# Altium PCB pcb.PcbDoc (part 1 of 2) (continued)
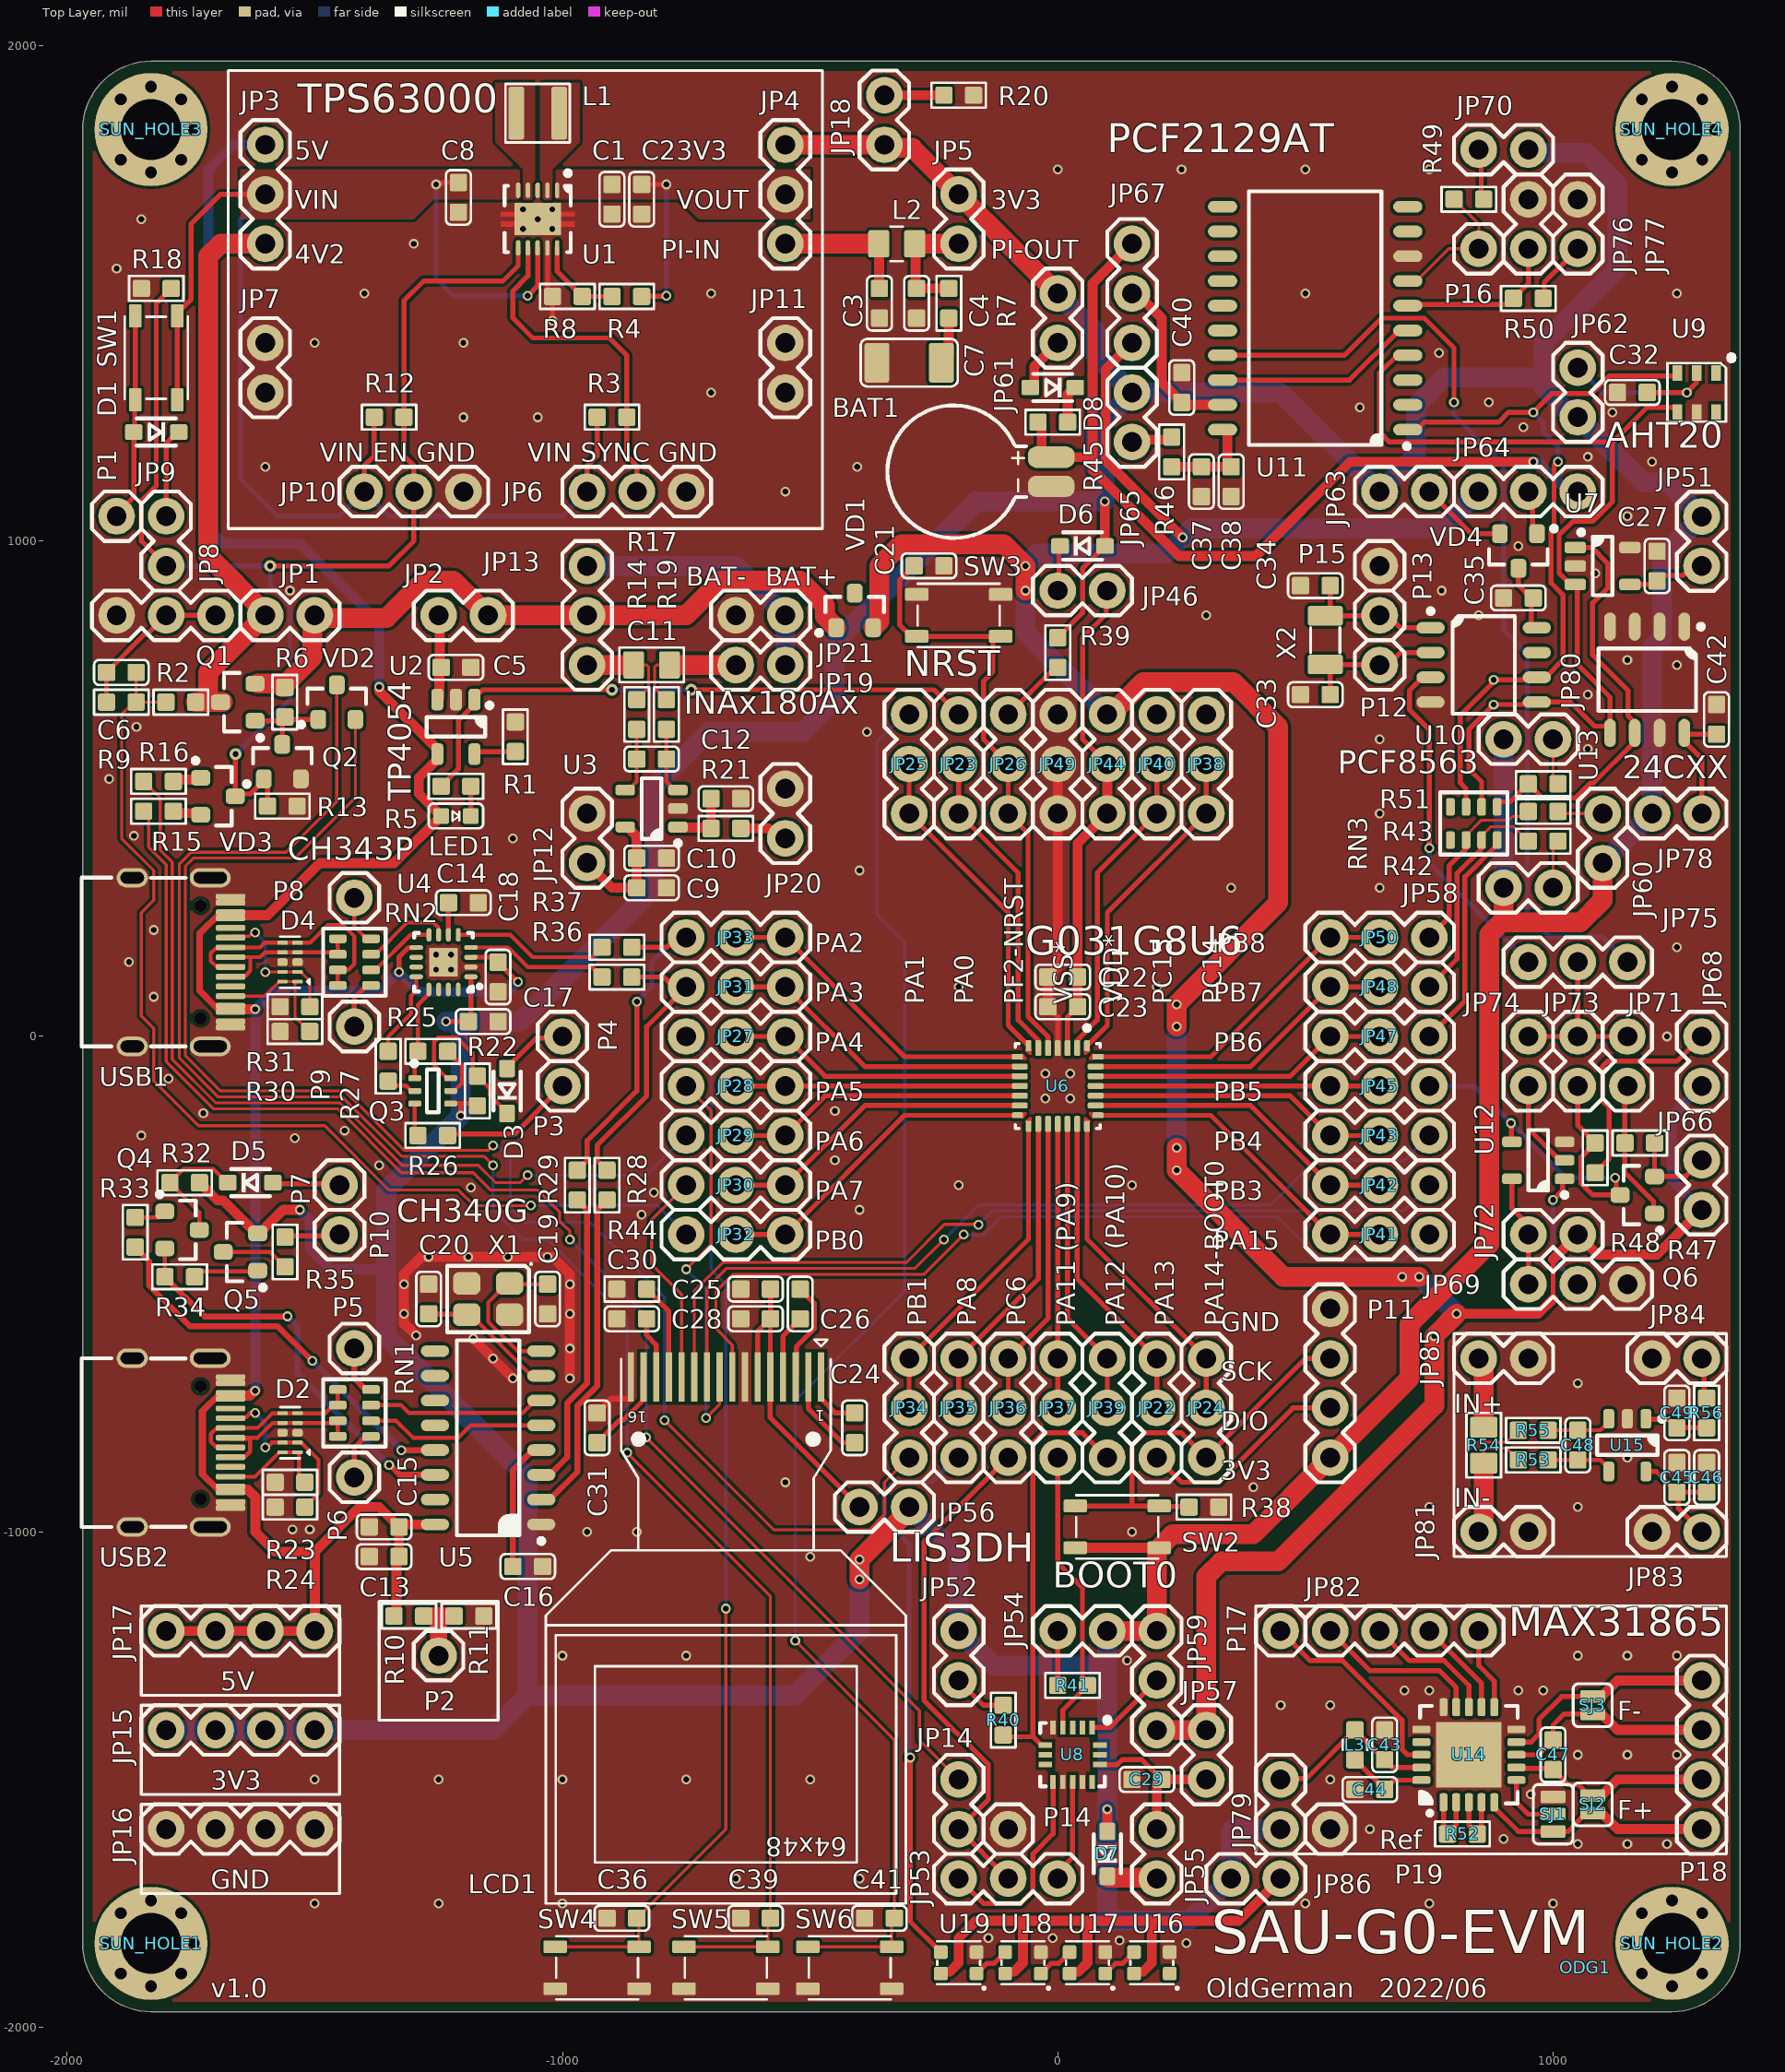
[diagram p0: Top Layer view]
## Components (designator, comment, footprint, x,y, rotation, side; value= is the part's Value field where it differs from the comment) (continued)
P18 "CONN_X4" 2.54mm_Male_x4 1300,-1600 r90 top
P19 "CONN_X1_DOT" 2.54mm_Male_x1 550,-1600 r0 top
Q1 "P-MOS" "INFINEON SOT-23-3" -1655.51,674.8 r180 top
Q2 "N-MOS" "INFINEON SOT-23-3" -1565.51,554.8 r90 top
Q3 "LMBT3946DW1T1G" "ON SEMI SOT-363" -1261.81,-110 r0 top
Q4 "S8050" "INFINEON SOT-23-3" -1767.95,-390.51 r0 top
Q5 "S8550" "INFINEON SOT-23-3" -1650,-435 r180 top
Q6 "P-MOS" "INFINEON SOT-23-3" 1170,-320 r180 top
R1 "20K" R0603 -1095,605 r270 top value=22R
R2 "100K" R0603 -1770.51,674.8 r0 top value=22R
R3 "1M" R0603 -900,1250 r0 top value=22R
R4 "1M" R0603 -869.99,1493.79 r0 top value=22R
R5 "1K" R0603 -1215,505 r0 top value=22R
R6 "100K" R0603 -1560.51,674.8 r90 top value=22R
R7 "0.33R" R0603 -220,1480 r90 top value=22R
R8 "178K" R0603 -989.99,1493.79 r180 top value=22R
R9 "100K" R0603 -1890.51,674.8 r0 top value=22R
R10 "10K" R0603 -1310,-1170 r180 top value=22R
R11 "10K" R0603 -1188.7,-1170 r180 top value=22R
R12 "1M" R0603 -1350,1250 r0 top value=22R
R13 "100K" R0603 -1565.51,464.8 r180 top value=22R
R14 "10R" R0603 -850,650 r90 top value=22R
R15 "10K" R0603 -1815.51,454.8 r0 top value=22R
R16 "10K" R0603 -1815.51,514.8 r0 top value=22R
R17 "2R 0.1%" R0805 -820,750 r0 top value=22R
R18 "DNP" R0603 -1820,1510 r0 top value=22R
R19 "10R" R0603 -790,650 r90 top value=22R
R20 "47K" R0603 -200,1900 r180 top value=22R
R21 "1K" R0603 -670,420 r180 top value=22R
R22 "10K" R0603 -1171.81,-110 r90 top value=22R
R23 "5.1K" R0603 -1550,-900 r180 top value=22R
R24 "5.1K" R0603 -1550,-950 r0 top value=22R
R25 "1K" R0603 -1261.81,-30 r180 top value=22R
R26 "1K" R0603 -1261.81,-200 r180 top value=22R
R27 "1K" R0603 -1351.81,-60 r270 top value=22R
R28 "0R" R0603 -910,-300 r90 top value=22R
R29 "0R" R0603 -970,-300 r90 top value=22R
R30 "5.1K" R0603 -1540,10 r180 top value=22R
R31 "5.1K" R0603 -1540,60 r0 top value=22R
R32 "10K" R0603 -1762.6,-295.16 r180 top value=22R
R33 "1K" R0603 -1862.6,-395.16 r270 top value=22R
R34 "1K" R0603 -1772.6,-485.16 r180 top value=22R
R35 "1K" R0603 -1560,-435 r90 top value=22R
R36 "0R" R0603 -890,120 r0 top value=22R
R37 "0R" R0603 -890,180 r0 top value=22R
R38 "10K" R0603 295,-950 r0 top value=22R
R39 "10K" R0603 0,775 r90 top value=22R
R40 "5.1K" R0603 -110,-1380 r270 top value=22R
R41 "5.1K" R0603 30,-1310 r0 top value=22R
R42 "3K" R0603 980,394.25 r180 top value=22R
R43 "3K" R0603 980,454.25 r180 top value=22R
R44 "390K" R0603 -860,-510 r0 top value=22R
R45 "620R" R0603 -10,1240 r180 top value=22R
R46 "330R" R0603 230,1180 r90 top value=22R
R47 "100K" R0603 1175,-215 r0 top value=22R
R48 "10K" R0603 1085,-245 r90 top value=22R
R49 "10K" R0603 830,1690 r0 top value=22R
R50 "220K" R0603 950,1490 r180 top value=22R
R51 "3K" R0603 980,510 r0 top value=22R
R52 "430R 0.1%" R0603 817,-1610 r180 top value=22R
R53 "10R" R0603 960,-855 r180 top value=22R
R54 "2R 0.1%" R0805 860,-825 r90 top value=22R
R55 "10R" R0603 960,-795 r180 top value=22R
R56 "330R" R0603 1310,-760 r270 top value=22R
RN1 "22R" "RESNET 1206-8 CONCAVE" -1420,-760 r180 top
RN2 "22R" "RESNET 1206-8 CONCAVE" -1420,150 r180 top
RN3 "100R" "RESNET 1206-8 CONCAVE" 840,430 r90 top
SJ1 "SJ_3P" SJ_3P 1000,-1570 r90 top
SJ2 "SJ_2P" SJ_2P 1080,-1550 r90 top
SJ3 "SJ_2P" SJ_2P 1080,-1350 r90 top
SUN_HOLE1 "SUN_HOLE" SUN_HOLE_M3 -1830.71,-1830.71 r90 top
SUN_HOLE2 "SUN_HOLE" SUN_HOLE_M3 1240.16,-1830.71 r90 top
SUN_HOLE3 "SUN_HOLE" SUN_HOLE_M3 -1830.71,1830.71 r90 top
SUN_HOLE4 "SUN_HOLE" SUN_HOLE_M3 1240.16,1830.71 r90 top
SW1 "Button-4P" SWITCH_3X4X2.5_4PIN_SMD -1820,1370 r90 top
SW2 "Button-4P" SWITCH_3X4X2.5_4PIN_SMD 120,-990 r0 top
SW3 "Button-4P" SWITCH_3X4X2.5_4PIN_SMD -200,850 r0 top
SW4 "Button-4P" SWITCH_3X4X2.5_4PIN_SMD -930,-1880 r180 top
SW5 "Button-4P" SWITCH_3X4X2.5_4PIN_SMD -670,-1880 r180 top
SW6 "Button-4P" SWITCH_3X4X2.5_4PIN_SMD -420,-1880 r180 top
U1 "TPS63000" "TI PVSON-10 3x3MM DRC" -1050,1650 r270 top
U2 "MCP73831T" "MICROCHIP SOT-23-5 OT" -1215,625 r270 top
U3 "INA180A3" "TI SOT-23-5 DBV" -820,460 r180 top
U4 "CH343P" "Analog QFN-16 3x3MM" -1240,150 r180 top
U5 "CH340G" "TI SOP-16 D" -1150,-810 r180 top
U6 "STM32G031G8U6" UFQFPN28-4x4mm_ODG 0,-100 r270 top locked
U7 "24Cxx_SOT23-5" "MICROCHIP SOT-23-5 OT" 1100,949.68 r0 top
U8 "LIS3DH" LGA-16-3X3 30,-1450 r270 top
U9 "AHT20" AHT20 1290,1300 r270 top
U10 "PCF8563" "ANALOG DEV SOIC-8 R8" 860,750 r0 top
U11 "PCF2129" NXP_SO20 519.68,1450 r180 top
U12 "SN74LVC1G04DBVR" "TI SOT-23-5 DBV" 970,-250 r180 top
U13 "24Cxx_8P" "ANALOG DEV SOIC-8 R8" 1190,720 r270 top
U14 "MAX31865" "VQFN-20 5x5MM 0.65" 830,-1450 r90 top
U15 "INA180A3" "TI SOT-23-5 DBV" 1150,-825 r270 top
U16 "WS2812" WS2812_2020 190,-1870 r180 top
U17 "WS2812" WS2812_2020 60,-1870 r180 top
U18 "WS2812" WS2812_2020 -70,-1870 r180 top
U19 "WS2812" WS2812_2020 -200,-1870 r180 top
USB1 "Type-C" Type-C-TOP -1970.79,150.16 r180 top
USB2 "Type-C" Type-C-TOP -1970.79,-819.84 r180 top
VD1 "BAV99" "INFINEON SOT-23-3" -410,860 r90 top
VD2 "BAT54C" "INFINEON SOT-23-3" -1455.51,674.8 r90 top
VD3 "BAT54C" "INFINEON SOT-23-3" -1695.51,484.8 r0 top
VD4 "BAT54C" "INFINEON SOT-23-3" 930,980 r270 top
X1 "XTAL-4P" "EPSON TSX-3225" -1150,-530 r180 top
X2 "XTAL-2P" XTAL_2P_3215 540,800 r90 top

## Footprints (in the part's own frame and the unit in brackets; to place one, negate y for a bottom-side part, rotate by r counter-clockwise, add the part's x,y. Pads: shape width x height; smd on the part's side, far side on the other; paste and mask are expansions set on the pad)
2.54mm_Male_x1 [mil]
  round 74 hole 40: 1(0,0)
  silkscreen extent -50,-50 50,50
2.54mm_Male_x2 [mil]
  round 74 hole 40: 1(0,0) 2(100,0)
  silkscreen extent -50,-50 150,50
2.54mm_Male_x3 [mil]
  round 74 hole 40: 1(0,0) 2(100,0) 3(200,0)
  silkscreen extent -50,-50 250,50
2.54mm_Male_x4 [mil]
  round 74 hole 40: 1(0,0) 2(100,0) 3(200,0) 4(300,0)
  silkscreen extent -50,-50 350,50
AHT20 [mm]
  rect 0.8x0.5 smd: 1(-1,1) 2(-1,0) 3(-1,-1) 4(1,-1) 5(1,0) 6(1,1)
  silkscreen extent -2.03,-1.5 1.5,2.03, body extent -1.5,-1.5 1.5,1.5, height 1
"ANALOG DEV SOIC-8 R8" [mm] "SOIC, 8-Leads, Body 4.90x3.90mm, Pitch 1.27mm, IPC Medium Density"
  oval 1.45x0.6 smd: 1(-2.725,1.905) 2(-2.725,0.635) 3(-2.725,-0.635) 4(-2.725,-1.905) 5(2.725,-1.905) 6(2.725,-0.635) 7(2.725,0.635) 8(2.725,1.905)
  silkscreen extent -2.85,-2.5 1.6,2.88, body extent -3.01,-2.45 3.01,2.45, height 1.5
"Analog QFN-16 3x3MM" [mm] "16-QFN (3x3)  Package, 0.5mm Pitch, 3.00x3.00mm Body"
  oval 0.7x0.25 smd: 1(-1.4,0.75) 2(-1.4,0.25) 3(-1.4,-0.25) 4(-1.4,-0.75) 9(1.4,-0.75) 10(1.4,-0.25) 11(1.4,0.25) 12(1.4,0.75)
  oval 0.25x0.7 smd: 5(-0.75,-1.4) 6(-0.25,-1.4) 7(0.25,-1.4) 8(0.75,-1.4) 13(0.75,1.4) 14(0.25,1.4) 15(-0.25,1.4) 16(-0.75,1.4)
  rect 1.45x1.45 smd: 17(0,0)
  silkscreen extent -1.95,-1.5 1.5,1.5, body extent -1.5,-1.5 1.5,1.5, height 0.8
C0603 [mil]
  rrect20% 35x35 smd: 1(-30,0) 2(30,0)
  silkscreen extent -55,-25 55,25, body extent -31,-16 32,16, height 32
C1206 [mil]
  rrect20% 50x80 smd: 1(-65,0) 2(65,0)
  silkscreen extent -98,-48 98,48, body extent -63,-32 63,32, height 64
DFN2510-10_SOT1165-1 [mm]
  rrect50% 0.2x0.525 smd: 1(-1,-0.387) 2(-0.5,-0.387) 4(0.5,-0.387) 5(1,-0.387) 6(1,0.387) 7(0.5,0.387) 9(-0.5,0.387) 10(-1,0.387)
  rrect50% 0.4x0.525 smd: 3(0,-0.388) 8(0,0.387)
  silkscreen extent -1.31,-1 1.31,0.5, body extent -1.25,-0.5 1.25,0.5, height 0.47
"EPSON TSX-3225" [mm] "Crystal, 4-Leads, Body 2.50x3.20mm, Pitch 2.20mm, IPC Medium Density"
  rrect50% 1.4x1.15 smd: 1(-1.1,-0.8) 2(1.1,-0.8) 3(1.1,0.8) 4(-1.1,0.8)
  silkscreen extent -2.25,-1.85 2.1,1.7, body extent -1.61,-1.26 1.61,1.26, height 0.6
FER0603 [mil]
  rrect25% 35x35 smd: 1(-30,0) 2(30,0)
  silkscreen extent -10,-25 10,25, body extent -31,-16 32,16, height 32
FER0805 [mil]
  rrect20% 42.5x55 smd: 1(-36.26,0) 2(36.26,0)
  silkscreen extent -12,-35 12,35, body extent -39,-25 39,25, height 49
IND-30301X [mm]
  rrect25% 0.8x2.7 smd: 1(1.1,0) 2(-1.1,0)
  silkscreen extent -1.65,-1.5 1.65,1.5, body extent -1.52,-1.52 1.53,1.52, height 1.5
"INFINEON SOT-23-3" [mm] "SOT23, 3-Leads, Body 2.90x2.40mm, Pitch 0.95mm, IPC Medium Density"
  rrect50% 0.972x0.802 smd: 1(-0.885,0.95) 2(-0.885,-0.95) 3(0.885,0)
  silkscreen extent -1.28,-1.5 0.7,1.95, body extent -1.16,-1.45 1.16,1.45, height 1
LED0603_WHITE [mm] "Chip Diode, 2-Leads, Body 1.60x0.80mm, IPC Medium Density"
  rrect20% 0.8x0.8 smd: 1(-0.762,0) 2(0.762,0)
  silkscreen extent -1.4,-0.64 1.4,0.64, body extent -0.8,-0.4 0.8,0.4, height 0.53
LGA-16-3X3 [mm]
  rect 0.7x0.28 smd: 1(-1.4,1) 2(-1.4,0.5) 3(-1.4,0) 4(-1.4,-0.5) 5(-1.4,-1) 9(1.4,-1) 10(1.4,-0.5) 11(1.4,0) 12(1.4,0.5) 13(1.4,1)
  rect 0.28x0.7 smd: 6(-0.5,-1.4) 7(0,-1.4) 8(0.5,-1.4) 14(0.5,1.4) 15(0,1.4) 16(-0.5,1.4)
  silkscreen extent -2.03,-1.65 1.62,2.03, body extent -1.5,-1.5 1.5,1.5, height 1.02
"MICROCHIP SOT-23-5 OT" [mm] "SOT23, 5-Leads, Body 2.90x2.70mm, Pitch 0.95mm, IPC Medium Density"
  rrect50% 1.1x0.6 smd: 1(-1.4,0.95) 2(-1.4,0) 3(-1.4,-0.95) 4(1.4,-0.95) 5(1.4,0.95)
  silkscreen extent -1.22,-1.5 0.5,1.85, body extent -1.36,-1.45 1.36,1.45, height 1.19
MS621FE-FL11E [mm] "3V可充电锂电池5.5mAH"
  rrect80% 2.4x1.1 smd: 1(5,0.75) 2(5,-0.75)
  silkscreen extent -3.4,-3.4 3.7,3.4, body extent -3.4,-3.4 5.9,3.4, height 2.8
NXP_SO20 [mm] "Footprint for reflow soldering of SOT163-1 (SO20) of PCF2129AT"
  oval 1.5x0.6 smd: 1(-4.75,5.715) 2(-4.75,4.445) 3(-4.75,3.175) 4(-4.75,1.905) 5(-4.75,0.635) 6(-4.75,-0.635) 7(-4.75,-1.905) 8(-4.75,-3.175) 9(-4.75,-4.445) 10(-4.75,-5.715) 11(4.75,-5.715) 12(4.75,-4.445) 13(4.75,-3.175) 14(4.75,-1.905) 15(4.75,-0.635) 16(4.75,0.635) 17(4.75,1.905) 18(4.75,3.175) 19(4.75,4.445) 20(4.75,5.715)
  silkscreen extent -4.83,-6.5 3.4,6.69, body extent -5.16,-6.4 5.16,6.4, height 2.65
ODG_LOGO_soldermask [mil]
oled_64x48_0.66_SSD1306_TOP_straight_no_3d [mm]
  rect 0.32x2.54 smd: 1(-4.875,-26.993) 2(-4.225,-26.993) 3(-3.575,-26.993) 4(-2.925,-26.993) 5(-2.275,-26.993) 6(-1.625,-26.993) 7(-0.975,-26.993) 8(-0.325,-26.993) 9(0.325,-26.993) 10(0.975,-26.993) 11(1.625,-26.993) 12(2.275,-26.993) 13(2.925,-26.993) 14(3.575,-26.993) 15(4.225,-26.993) 16(4.875,-26.993)
  silkscreen extent -9.23,-28.9 9.23,0
"ON SEMI SOT-363" [mm] "SOT363, 6-Leads, Body 2.00x2.10mm, Pitch 0.65mm, IPC Medium Density"
  rrect50% 0.66x0.3 smd: 1(-0.92,0.65) 2(-0.92,0) 3(-0.92,-0.65) 4(0.92,-0.65) 5(0.92,0) 6(0.92,0.65)
  silkscreen extent -1.07,-1.1 0.3,1.53, body extent -1.06,-1.1 1.06,1.1, height 1.05
R0603 [mil]
  rrect25% 35x35 smd: 1(-30,0) 2(30,0)
  silkscreen extent -55,-25 55,25, body extent -31,-16 31,16, height 18
R0805 [mil]
  rrect20% 42.5x55 smd: 1(-36.26,0) 2(36.26,0)
  silkscreen extent -65,-35 65,35, body extent -39,-25 39,25, height 24
"RESNET 1206-8 CONCAVE" [mm] "4 resistor 3.20x1.60mm, 0.7mm high"
  rrect50% 0.9x0.45 smd: 1(-0.85,1.2) 2(-0.85,0.4) 3(-0.85,-0.4) 4(-0.85,-1.2) 5(0.85,-1.2) 6(0.85,-0.4) 7(0.85,0.4) 8(0.85,1.2)
  silkscreen extent -1.6,-1.73 1.6,1.73, body extent -0.85,-1.65 0.85,1.65, height 0.6
SJ_2P [mil]
  rrect25% 25x50 smd: 1(-17.62,0) 2(17.62,0)
  silkscreen extent -43,-39 43,39
SJ_3P [mil]
  rrect25% 25x50 smd: 1(-35,0) 2(0,0) 3(35,0)
  silkscreen extent -60,-40 60,40
SOD-323 [mm]
  rrect25% 0.9x0.8 smd: 1(-1.15,0) 2(1.15,0)
  silkscreen extent -1,-0.7 1,0.7, body extent -1.36,-0.62 1.36,0.63, height 1.05
SUN_HOLE_M3 [mm]
  round 5.8 hole 3.1: 1(0,0)
  round 1.108 hole 0.6: 1_1(0,2.2) 1_2(0,-2.2) 1_3(-2.2,0) 1_4(2.2,0) 1_5(1.55,1.55) 1_6(1.55,-1.55) 1_7(-1.55,1.55) 1_8(-1.55,-1.55)
SWITCH_3X4X2.5_4PIN_SMD [mm]
  rrect25% 1.2x0.65 smd: 1(-2.15,1.075) 2(2.15,1.075) 3(-2.15,-1.075) 4(2.15,-1.075)
  silkscreen extent -2.1,-1.63 2.1,1.63, body extent -2.55,-1.6 2.55,1.6, height 2.5
"TI PVSON-10 3x3MM DRC" [mm] "PVSON, 10-Leads, Body 3.00x3.00mm, Pitch 0.50mm, Thermal Pad 1.65x2.40mm, IPC Medium Density"
  oval 0.8x0.23 smd: 1(-1.475,1) 2(-1.475,0.5) 3(-1.475,0) 4(-1.475,-0.5) 5(-1.475,-1) 6(1.475,-1) 7(1.475,-0.5) 8(1.475,0) 9(1.475,0.5) 10(1.475,1)
  rect 1.65x2.4 smd paste-5: 11(0,0)
  Top Layer region: 0.11,1.1 0.39,1.1 0.39,1.9 0.11,1.9
  Top Layer region: -0.11,1.9 -0.39,1.9 -0.39,1.1 -0.11,1.1
  Top Layer region: -0.11,-1.1 -0.39,-1.1 -0.39,-1.9 -0.11,-1.9
  Top Layer region: 0.11,-1.9 0.39,-1.9 0.39,-1.1 0.11,-1.1
  silkscreen extent -2.47,-1.7 1.7,1.7, body extent -1.5,-1.5 1.5,1.5, height 1
"TI SOP-16 D" [mm] "SOP, 16-Leads, Body 9.90x3.90mm, Pitch 1.27mm, IPC Medium Density"
  oval 1.45x0.6 smd: 1(-2.725,4.445) 2(-2.725,3.175) 3(-2.725,1.905) 4(-2.725,0.635) 5(-2.725,-0.635) 6(-2.725,-1.905) 7(-2.725,-3.175) 8(-2.725,-4.445) 9(2.725,-4.445) 10(2.725,-3.175) 11(2.725,-1.905) 12(2.725,-0.635) 13(2.725,0.635) 14(2.725,1.905) 15(2.725,3.175) 16(2.725,4.445)
  silkscreen extent -2.85,-5 1.6,5.42, body extent -3.2,-5.2 3.2,5.2, height 2.1
"TI SOT-23-5 DBV" [mm] "SOT23, 5-Leads, Body 2.90x2.80mm, Pitch 0.95mm, IPC Medium Density"
  rrect50% 1x0.55 smd: 1(-1.35,0.95) 2(-1.35,0) 3(-1.35,-0.95) 4(1.35,-0.95) 5(1.35,0.95)
  silkscreen extent -1.48,-1.55 0.5,1.9, body extent -1.44,-1.43 1.39,1.48, height 1.5
Type-C-TOP [mm]
  round 0.65 hole 0.65: 0(-6.1,-2.89) 0_1(-6.1,2.89)
  oval 1.6x1 hole 0.6 slot 1.2 at 0 deg: 1(-2.6,4.325) 2(-2.6,-4.325)
  oval 2.1x1 hole 0.6 slot 1.7 at 0 deg: 3(-6.6,-4.325) 4(-6.6,4.325)
  rrect50% 1.5x0.3 smd: A1(-7.64,-3.35) A4(-7.64,-2.55) A5(-7.64,-1.25) A6(-7.64,-0.25) A7(-7.64,0.25) A8(-7.64,1.25) A9(-7.64,2.55) A12(-7.64,3.35) B1(-7.64,3.05) B4(-7.64,2.25) B5(-7.64,1.75) B6(-7.64,0.75) B7(-7.64,-0.75) B8(-7.64,-1.75) B9(-7.64,-2.25) B12(-7.64,-3.05)
  silkscreen extent -5.34,-4.33 0,4.33, body extent -7.69,-4.48 0.06,4.47, height 3.26
UFQFPN28-4x4mm_ODG [mil]
  rrect50% 22x12 smd: 1(-81.5,59.06) 7(-81.5,-59.06) 15(81.5,-59.06) 21(81.5,59.06)
  rrect50% 32x12 smd: 2(-76.5,39.37) 3(-76.5,19.68) 4(-76.5,0) 5(-76.5,-19.68) 6(-76.5,-39.37) 16(76.5,-39.37) 17(76.5,-19.68) 18(76.5,0) 19(76.5,19.68) 20(76.5,39.37)
  rrect50% 12x22 smd: 8(-59.06,-81.5) 14(59.06,-81.5) 22(59.06,81.5) 28(-59.06,81.5)
  rrect50% 12x32 smd: 9(-39.37,-76.5) 10(-19.68,-76.5) 11(0,-76.5) 12(19.68,-76.5) 13(39.37,-76.5) 23(39.37,76.5) 24(19.68,76.5) 25(0,76.5) 26(-19.68,76.5) 27(-39.37,76.5)
  Top Layer region: 58,63 65,70 65,74 53,74 53,63
  Top Layer region: 63,-58 70,-65 74,-65 74,-53 63,-53
  Top Layer region: -63,58 -70,65 -74,65 -74,53 -63,53
  Top Layer region: 63,58 70,65 74,65 74,53 63,53
  Top Layer region: 58,-63 65,-70 65,-74 53,-74 53,-63
  Top Layer region: -63,-58 -70,-65 -74,-65 -74,-53 -63,-53
  Top Layer region: -58,63 -65,70 -65,74 -53,74 -53,63
  Top Layer region: -58,-63 -65,-70 -65,-74 -53,-74 -53,-63
  silkscreen extent -122,-86 86,86, body extent -81,-81 81,81, height 24
"VQFN-20 5x5MM 0.65" [mm] "MCP96XX or MA31865"
  rrect50% 0.925x0.4 smd: 1(-2.437,1.3) 2(-2.437,0.65) 3(-2.437,0) 4(-2.437,-0.65) 5(-2.437,-1.3) 11(2.438,-1.3) 12(2.438,-0.65) 13(2.438,0) 14(2.438,0.65) 15(2.438,1.3)
  rrect50% 0.4x0.925 smd: 6(-1.3,-2.437) 7(-0.65,-2.437) 8(0,-2.437) 9(0.65,-2.437) 10(1.3,-2.437) 16(1.3,2.438) 17(0.65,2.438) 18(0,2.438) 19(-0.65,2.438) 20(-1.3,2.438)
  rect 3.35x3.35 smd paste-5: 21(0,0)
  silkscreen extent -3.1,-2.5 2.5,2.5
WS2812_2020 [mm]
  rrect30% 0.7x0.7 smd: 1(-0.915,0.55) 2(-0.915,-0.55) 3(0.915,-0.55) 4(0.915,0.55)
  silkscreen extent -1.37,-1.1 1.1,1.37, body extent -1.1,-1 1.1,1, height 0.56
XTAL_2P_3215 [mm]
  rrect25% 1x1.8 smd: 1(-1.25,0) 2(1.25,0)
  silkscreen extent -0.65,-0.75 0.65,0.75, body extent -1.6,-0.75 1.6,0.75, height 0.9

## Part data
BAT1: "锂电池", Auther=JonesLee, Publish=11-4-2017
C1 C2 C3 C4 C5 C6 C7 C8 C9 C10 C11 C12 C13 C14 C15 C16 C17 C18 C19 C20 C21 C22 C23 C24 C25 C26 C27 C28 C29 C30 C31 C32 C33 C34 C35 C36 C37 C38 C39 C40 C41 C42 C43 C44 C45 C46 C47 C48 C49: library part CAP, "Capacitor"
D1 D6: library part DIODE, "肖特基二极管"
D2 D4: "Ultra-Low Capacitance TVS Protection", 学习资源=www.o, 属性=30V/0
D3 D7 D8: library part DIODE, "二极管"
D5: "二极管"
L1: "功率电感"
L2 L3: library part inductor_mini, "贴片叠层电感"
Q1 Q6: library part P-MOS_123
Q2: library part N-MOS_123
Q3: "PNP+NPN, SOT-363", ComponentLink1Description=Datasheet, ComponentLink1URL=https://fscdn.rohm.com/en/products/databook/datasheet/discrete/transistor/digital/umh3ntn-e.pdf
Q4: "NPN型", BOM名称=¸, 学习资源=www.o, 属性="40V 1.5A 1W 100"
Q5: "PNP型", BOM名称=¸, 学习资源=www.o, 属性="40V 1.5A 1W 100"
R1 R2 R3 R4 R5 R6 R7 R8 R9 R10 R11 R12 R13 R14 R15 R16 R17 R18 R19 R20 R21 R22 R23 R24 R25 R26 R27 R28 R29 R30 R31 R32 R33 R34 R35 R36 R37 R38 R39 R40 R41 R42 R43 R44 R45 R46 R47 R48 R49 R50 R51 R52 R53 R54 R55 R56: library part RES, "Resistor"
RN1 RN2 RN3: library part RES-8P4R, "贴片网络排阻", 学习资源=www.o
SJ1: "焊接跳线二选一"
SJ2 SJ3: "焊接跳线"
SW1 SW2 SW3 SW4 SW5 SW6: "Button"
U1: "Buck-Boost Converter / 具有 1.8A 电流开关并采用 3x3 QFN 封装的高效率降压/升压转换器"
U3 U15: library part INA180Ax, "Low- and High-Side Voltage Output, Current-Sense Amplifiers"
U4: "usb to ttl"
U5: "丐中丐，需要外接12M晶振"
U6: "No Description Available", Mfr_Name=STMicroelectronics, Copyright="Copyright (C) 2022 Ultra Librarian. All rights reserved.", Manufacturer_Part_Number=STM32G031G8U6, RefDes=RefDes, Type=DEV
U8: "The LIS3DH is an ultra-low-power highperformance three-axis linear accelerometer belonging to the “nano” family, with digital I2C/SPI serial interface standard output. The device features ultra-low-power operational modes that allow advanced power saving and smart embedded functions.", ComponentLink1Description=Datasheet, ComponentLink1URL=https://www.bosch-sensortec.com/media/boschsensortec/downloads/datasheets/bst-bmi160-ds000.pdf
U9: "线性稳压芯片", 学习资源=www.o
U11: "RTC"
U12: "IC GATE NOT"
USB1 USB2: library part USB-Type-C_16P
VD1: "Dual Series Switching Diodes", ComponentLink1Description=Datasheet, ComponentLink1URL=https://www.onsemi.com/pub/Collateral/BAV99WT1-D.PDF, 学习资源=www.o, 属性=30V/0
VD2 VD3 VD4: "贴片肖特基二极管", 学习资源=www.o, 属性=30V/0
X1: "4脚无源石英晶振", BOM名称=4, 学习资源=www.o
X2: "2脚无源石英晶振", BOM名称=4, 学习资源=www.o

## Via types
v1: diameter 19.68, hole 11.81, Top Layer to Bottom Layer, tented both sides, 205 vias
v2: diameter 23.62, hole 11.81, Top Layer to Bottom Layer, tented both sides, 9 vias

## Nets (pads, with @x,y where several pads share a name; then routed paths per layer and width w, separated by ;. In a path a pad name is that pad's centre, name@x,y a point inside that pad or via, vN(x,y) a via of type N, cw(c..) or ccw(c..) an arc to the next point about the centre after c; other vN are vias at no path point)
3V3: C17.2 D6.1 D7.1 JP4.1 JP5.2 JP15.1 JP15.2 JP15.3 JP15.4 JP18.1 JP51.1 JP52.2 JP54.2 JP56.1 JP58.2 JP59.1 JP60.2 JP61.1 JP62.1 JP63.1 JP65.1 JP70.1 JP78.1 JP79.1 JP80.2 JP86.1 P11.4 Q3.4 Q5.2 R22.1 R32.1 R39.2 SW2.3 SW2.4 U4.1 | length 15073.1
  Top Layer w10: v1(-1235,30) C17.2@-1190,30 -1185,35 U4.1@-1185,120 ; Q3.4@-1225.59,-135.59 -1225,-135 -1205,-135 ; v1(-1205,-160) -1205,-135 ; R22.1@-1170,-140 -1175,-135 -1205,-135 ; R39.2@0,805 50,855 50,944.72 82.56,977.28 82.56,979.25 93.31,990 D6.1@95.28,990
  Top Layer w20: R32.1@-1732.6,-295.16 -1696.81,-330.94 -1685.16,-330.94 -1618.5,-397.6 Q5.2@-1615.16,-397.6 -1611.81,-397.6 -1564.21,-350 v1(-1530,-350) ; SW2.3@35.35,-1032.32 SW2.4@204.65,-1032.32 ; v1(95,1080) 95.14,1079.86 95.14,990.14 D6.1@95.28,990 ; D7.1@100,-1604.72 v1(100,-1560)
  Top Layer w40: JP4.1@-550,1800 JP18.1@-350,1800 -343.49,1793.49 -293.49,1793.49 JP61.1@0,1500 ; v1(-400,-1096.07) v1(-400,-1056.07) -300,-956.07 JP56.1@-300,-950 ; JP54.2@100,-1200 JP59.1@200,-1200 200,-1036.97 231.97,-1005 395,-1005 449.16,-950.84 449.85,-950.84 470.84,-929.85 470.84,-929.16 P11.4@550,-850 710,-690 710,-580 871.17,-418.83 871.17,206.17 900,235 JP58.2@900,300 900,230 1055,230 1100,275 JP60.2@1100,350
  Bottom Layer w20: v1(-1530,-350) -1510,-370 -1510,-428.21 -1468.21,-470 -1355.84,-470 ; v1(-1235,30) -1220,30 -1205,15
  Bottom Layer w40: JP15.1@-1800,-1400 JP15.2@-1700,-1400 JP15.3@-1600,-1400 JP15.4@-1500,-1400 -1140,-1400 -1070,-1330 ; v1(-1235,30) -1085,30 -815,300 -815,505 -705,615 -515,615 -450,680 -450,795 -165,1080 v1(95,1080) 95,1130 75,1150 75,1225 JP65.1@150,1300 ; -1205,15 v1(-1205,-160) -1355.84,-310.84 -1355.84,-470 -1355.84,-604.16 -1070,-890 -1070,-1330 ; v1(-400,-1056.07) -400,-1200 -530,-1330 -1070,-1330 ; JP56.1@-300,-950 -200,-1050 JP52.2@-200,-1200 -130,-1270 100,-1270 ; JP61.1@0,1500 75,1425 75,1375 JP65.1@150,1300 ; JP54.2@100,-1200 100,-1270 ; JP79.1@450,-1600 353,-1600 350,-1603 JP86.1@350,-1700 265,-1785 100,-1785 v1(100,-1560) 100,-1270 ; JP58.2@900,300 JP80.2@900,600 ; JP70.1@950,1790 956.51,1783.49 1066.51,1783.49 1130,1720 1130,1550 980.8,1400.8 980.8,1330 780,1330 723.25,1273.25 723.25,1173.25 JP63.1@650,1100 450,1300 JP65.1@150,1300 ; 980.8,1310 1040.8,1250 JP62.1@1050,1250 1181.73,1118.27 1231.41,1118.27 JP51.1@1300,1049.68 1220,969.68 1220,805 1200,785 JP78.1@1200,450 JP60.2@1100,350
4V2: JP1.2 JP3.1 Q1.3 R2.2 | length 1178.1
  Top Layer w40: R2.2@-1740.51,674.8 -1715,674.8 ; Q1.3@-1685.35,674.8 Q1.3@-1690.35,674.8 -1715,674.8 ; JP3.1@-1600,1600 -1690,1600 -1715,1575 -1715,970 -1597.5,852.5 JP1.2@-1600,850 -1715,735 -1715,674.8
5V_Info: P2.1 R10.1 R11.2 | length 141.6
  Top Layer w35: R10.1@-1280,-1170 -1249.35,-1170 ; P2.1@-1250,-1250 -1250,-1170.65 -1249.35,-1170 ; R11.2@-1218.7,-1170 -1249.35,-1170
+5: C13.2 C15.2 C18.2 JP3.3 JP17.1 JP17.2 JP17.3 JP17.4 LED1.1 R10.2 U2.4 U4.3 U4.9 U5.16 USB1.A4 USB1.A9 USB1.B4 USB1.B9 USB2.A4 USB2.A9 USB2.B4 USB2.B9 | length 6199.1
  Top Layer w8: USB2.B4@-1670,-908.43 -1671.91,-906.52 -1700.07,-906.52 -1723.53,-883.06 -1723.53,-756.63 -1700.07,-733.17 -1671.91,-733.17 USB2.B9@-1670,-731.26 ; USB2.A4@-1670,-719.45 -1693.62,-719.45 -1730,-755.83 -1730,-883.86 -1693.62,-920.24 USB2.A9@-1670,-920.24 USB2.A9@-1664.76,-915 ; USB1.A9@-1670,49.76 -1693.62,49.76 -1735,91.14 -1735,209.17 -1693.62,250.55 USB1.A4@-1670,250.55 ; USB1.B4@-1670,61.57 -1671.91,63.48 -1700.07,63.48 -1730,93.41 -1730,206.9 -1700.07,236.83 -1671.91,236.83 USB1.B9@-1670,238.74
  Top Layer w10: USB2.B4@-1670,-908.43 -1670,-909.76 USB2.A9@-1664.76,-915 ; USB1.A9@-1665,55 USB1.A9@-1664.76,55 ; v1(-1330,130) -1330,160 -1310.55,179.45 -1295.2,179.45 U4.9@-1295.12,179.53 ; U4.3@-1180,160 -1140,160 C18.2@-1130,150 v1(-1090,110)
  Top Layer w20: JP17.1@-1800,-1200 JP17.2@-1700,-1200 JP17.3@-1600,-1200 JP17.4@-1500,-1200 -1500,-1040 ; USB1.A9@-1688.74,55 USB1.A9@-1665,55 ; USB2.A9@-1664.76,-915 -1635,-915 -1620,-930 -1620,-1000 -1580,-1040 -1500,-1040 ; USB1.A9@-1664.76,55 v1(-1620,55) ; USB1.A4@-1663.74,245 -1595,245 -1490,350 -1340,350 LED1.1@-1245,445 -1290,490 -1290,522.44 -1252.4,560.04 U2.4@-1252.4,569.88 -1252.4,579.72 -1369.31,696.63 -1369.31,704.8 v1(-1370,705.49) ; USB2.A4@-1654.33,-725 -1630.98,-725 -1620.98,-715 v1(-1620,-715) ; R10.2@-1340,-1170 -1335,-1165 -1335,-1055 C13.2@-1330,-1050 C15.2@-1330,-990 ; U5.16@-1257.28,-985 -1320.55,-985 -1325.55,-990 C15.2@-1330,-990 ; -1500,-1040 -1410,-950 -1370,-950 C15.2@-1330,-990
  Bottom Layer w20: v1(-1620,-715) v1(-1620,55) -1582.5,92.5 -1367.5,92.5 v1(-1330,130) -1290,90 -1110,90 v1(-1090,110) ; JP3.3@-1600,1795 -1605,1800 -1665,1800 -1715,1750 -1715,1025 -1685,995 -1530,995 -1370,835 v1(-1370,705.49)
BAT+: JP13.3 JP19.2 JP21.1 | length 541.4
  Bottom Layer w40: JP13.3@-950,950 -650,950 JP21.1@-550,850 JP19.2@-550,750
BAT_INFO: C6.1 JP32.3 R2.1 R9.2 | length 2146.2
  Top Layer w6: R9.2@-1872.01,668.3 -1890,650.32 -1890,400 -1825,335 -1825,275 -1850,250 -1850,41.25 -1825,16.25 -1825,-90 -1735,-180 -1480,-180 -1350,-310 -1210,-310 -1178.58,-341.42 v1(-1063.58,-341.42) ; R9.2@-1867.01,668.3 R9.2@-1860.51,674.8 ; C6.1@-1860.51,734.8 R9.2@-1860.51,674.8 ; R2.1@-1800.51,674.8 R9.2@-1860.51,674.8
  Bottom Layer w6: v1(-1063.58,-341.42) -1063.31,-341.16 -808.84,-341.16 JP32.3@-750,-400
BOOT01: P3.1 R26.1 | length 273.2
  Top Layer w10: R26.1@-1231.81,-200 -1229,-197.19 -1097.19,-197.19 P3.1@-1000,-100
BOOT02: P10.1 R35.2 | length 112.1
  Top Layer w10: R35.2@-1560,-405 -1557.5,-402.5 -1452.5,-402.5 P10.1@-1450,-400
CC1-1: D4.2 D4.9 R31.2 USB1.A5 | length 292.4
  Top Layer w6: USB1.A5@-1670,199.37 -1667.09,202.28 -1632.49,202.28 -1624.77,210 v1(-1620,210) ; v1(-1600,130) -1599.84,130.16 -1534.9,130.16 D4.2@-1534.74,130.32 -1528.35,130.32 -1510,111.97 R31.2@-1510,60
  Bottom Layer w6: v1(-1620,210) -1600,190 v1(-1600,130)
CC1-2: D2.2 D2.9 R24.2 USB2.A5 | length 365.9
  Top Layer w8: USB2.A5@-1670,-770.63 -1668.09,-768.72 -1638.72,-768.72 -1630,-760 v1(-1620,-760) ; v1(-1600,-830) -1596.84,-830 -1586.59,-819.75 -1565.32,-819.75 D2.9@-1565.26,-819.68 D2.2@-1534.74,-819.68 -1527.17,-819.68 -1492.5,-854.35 -1492.5,-922.5 R24.2@-1520,-950
  Bottom Layer w8: v1(-1620,-760) -1600,-780 v1(-1600,-830)
CC2-1: D4.1 D4.10 R30.1 USB1.B5 | length 261.3
  Top Layer w6: USB1.B5@-1670,81.26 -1601.02,81.26 -1571.65,110.63 D4.10@-1565.26,110.63 D4.1@-1539.06,110.63 ; D4.1@-1534.74,110.63 D4.1@-1539.06,110.63 ; R30.1@-1510,10 -1510.74,10 -1540,39.26 -1540,109.69 D4.1@-1539.06,110.63
CC2-2: D2.1 D2.10 R23.1 USB2.B5 | length 224.1
  Top Layer w8: USB2.B5@-1670,-888.74 -1620.9,-888.74 -1571.53,-839.37 D2.10@-1565.26,-839.37 D2.1@-1534.74,-839.37 -1532,-839.37 -1531.93,-839.43 -1531.93,-888.07 R23.1@-1520,-900
CH340_D+: RN1.2 U5.5 | length 368.4
  Top Layer w8: RN1.2@-1386.54,-775.75 -1335.85,-775.75 -1301.6,-810 -1210,-810 -1185,-785 U5.5@-1042.72,-785
CH340_D-: RN1.3 U5.6 | length 360.7
  Top Layer w8: RN1.3@-1386.54,-744.25 -1325.75,-744.25 -1310,-760 -1080,-760 -1055,-735 U5.6@-1042.72,-735
CH340_RX: R29.1 U5.3 | length 611.5
  Top Layer w12: U5.3@-1042.72,-885 -1025.98,-885 -990,-849.02 -990,-740 -950,-700 -950,-350 R29.1@-970,-330
CH340_TX: R28.1 U5.2 | length 669.8
  Top Layer w12: U5.2@-1042.72,-935 -1025.98,-935 -970,-879.02 -970,-745.46 -930,-705.46 -930,-350 R28.1@-910,-330
CH343_D+: RN2.3 U4.7 | length 181
  Top Layer w8: RN2.3@-1385,165 -1378.43,165 -1313.43,230 -1260,230 -1250.19,220.19 -1250.19,205.47 U4.7@-1249.84,205.12
CH343_D-: RN2.2 U4.8 | length 144.5
  Top Layer w8: RN2.2@-1385,135 -1376.93,135 -1306.81,205.12 U4.8@-1269.53,205.12
CH343_RX: R37.1 U4.5 | length 317.4
  Top Layer w8: U4.5@-1210.47,205.12 -1105.12,205.12 -1060,160 -940,160 R37.1@-920,180
CH343_TX: R36.1 U4.4 | length 289.5
  Top Layer w8: U4.4@-1184.88,179.53 -1109.53,179.53 -1070,140 -940,140 R36.1@-920,120
Charge_Detect: JP23.3 R5.1 U2.1 | length 1211.4
  Top Layer w10: R5.1@-1245,505 -1210,540 -1210,637.87 -1177.6,670.28 U2.1@-1177.6,680.12 -1177.6,683.26 -1160.86,700 v2(-900,700) ; v2(-740,700) -250,700 JP23.3@-200,650
  Bottom Layer w10: v2(-900,700) v2(-740,700)
D1+: D4.4 D4.7 RN2.5 RN2.6 USB1.A6 USB1.B6 | length 316.1
  Top Layer w8: USB1.B6@-1670,120.63 -1668.09,122.54 -1639.93,122.54 -1630,132.47 -1630,160 ; USB1.A6@-1670,160 -1630,160 ; D4.7@-1575.26,169.68 -1600.32,169.68 -1610,160 -1630,160 ; D4.7@-1565.26,169.68 D4.4@-1534.74,169.68 -1457.4,169.68 RN2.6@-1453.46,165.75 RN2.5@-1453.46,197.24
D1-: D4.5 D4.6 RN2.7 RN2.8 USB1.A7 USB1.B7 | length 499.2
  Top Layer w8: USB1.A7@-1670,140.32 -1671.91,142.22 -1700.07,142.22 -1710,152.15 -1710,167.85 -1700.07,177.78 -1671.91,177.78 USB1.B7@-1670,179.69 -1610.31,179.69 -1600.63,189.37 D4.6@-1575.26,189.37 ; D4.6@-1565.26,189.37 D4.5@-1534.74,189.37 -1509.37,189.37 -1473.74,225 -1443.1,225 -1420,201.9 -1420,146.67 -1432.42,134.25 RN2.7@-1453.46,134.25 RN2.8@-1453.46,102.76
D2+: D2.4 D2.7 RN1.7 RN1.8 USB2.A6 USB2.B6 | length 369.8
  Top Layer w8: USB2.B6@-1670,-849.37 -1668.09,-847.46 -1639.93,-847.46 -1630.47,-838 -1630.47,-811.91 -1668.09,-811.91 USB2.A6@-1670,-810 -1615.2,-810 -1585.52,-780.32 D2.7@-1565.26,-780.32 D2.4@-1534.74,-780.32 -1534.68,-780.25 -1457.97,-780.25 RN1.7@-1453.46,-775.75 ; RN1.7@-1455,-780 -1454.04,-780 -1453.46,-780.57 RN1.8@-1453.46,-807.24
D2-: D2.5 D2.6 RN1.5 RN1.6 USB2.A7 USB2.B7 | length 372.2
  Top Layer w8: USB2.A7@-1670,-829.68 -1671.91,-827.78 -1700.07,-827.78 -1709.53,-818.32 -1709.53,-801.68 -1700.07,-792.22 -1671.91,-792.22 USB2.B7@-1670,-790.31 -1615.31,-790.31 -1585.63,-760.63 D2.6@-1565.26,-760.63 D2.5@-1534.74,-760.63 -1478.93,-760.63 -1462.56,-744.25 RN1.6@-1453.46,-744.25 RN1.5@-1453.46,-712.76
DISP_CS: JP41.3 LCD1.8 | length 1745.8
  Top Layer w6: LCD1.8@-657.2,-687.28 -657.2,-622.8 -690,-590 -690,-514.32 -655.68,-480 -270,-480 v1(-190,-400)
  Bottom Layer w6: v1(-190,-400) -189.19,-400.81 -150.81,-400.81 -114,-364 444,-364 530,-450 700,-450 JP41.3@750,-400
DISP_DC: JP43.3 LCD1.10 | length 1765
  Top Layer w6: LCD1.10@-708.39,-687.28 -708.39,-508.39 -668,-468 -288,-468 v1(-230,-410)
  Bottom Layer w6: v1(-230,-410) -160,-340 430,-340 520,-250 700,-250 JP43.3@750,-200
DISP_RES: JP28.3 LCD1.9 | length 822
  Top Layer w6: v1(-750,-470) -700,-420 -700,-150 JP28.3@-750,-100 ; v1(-710,-770) -682.8,-742.8 LCD1.9@-682.8,-687.28
  Bottom Layer w6: v1(-750,-470) -710,-510 v1(-710,-770)
FB: R4.1 R8.1 U1.10 | length 179.1
  Top Layer w10: U1.10@-1010.63,1591.93 -1010.63,1544.42 R8.1@-959.99,1493.79 R4.1@-899.99,1493.79
G0_VDD: C22.1 C23.1 JP44.2 JP44.3 JP46.1 U6.3 | length 998.2
  Top Layer w10: U6.3@19.68,-23.5 19.68,39.69 C23.1@40,60 ; JP44.2@100,550 50,600 50,805 98,853 98,898 JP46.1@100,900
  Top Layer w20: C23.1@40,60 C22.1@40,120 40,390 JP44.3@100,450 JP44.2@100,550